# Altium PCB mainpcb.PcbDoc (part 1 of 2)
Units mm, origin at the board's own origin, x right, y up, seen from the top; angles counter-clockwise.
Board outline 161.19 x 161.19 mm, 2 copper layers (Top Layer, Bottom Layer); 134 components, 83 nets, 474 pads, 52 vias.
Unrouted connection lines stored in the file: 1.
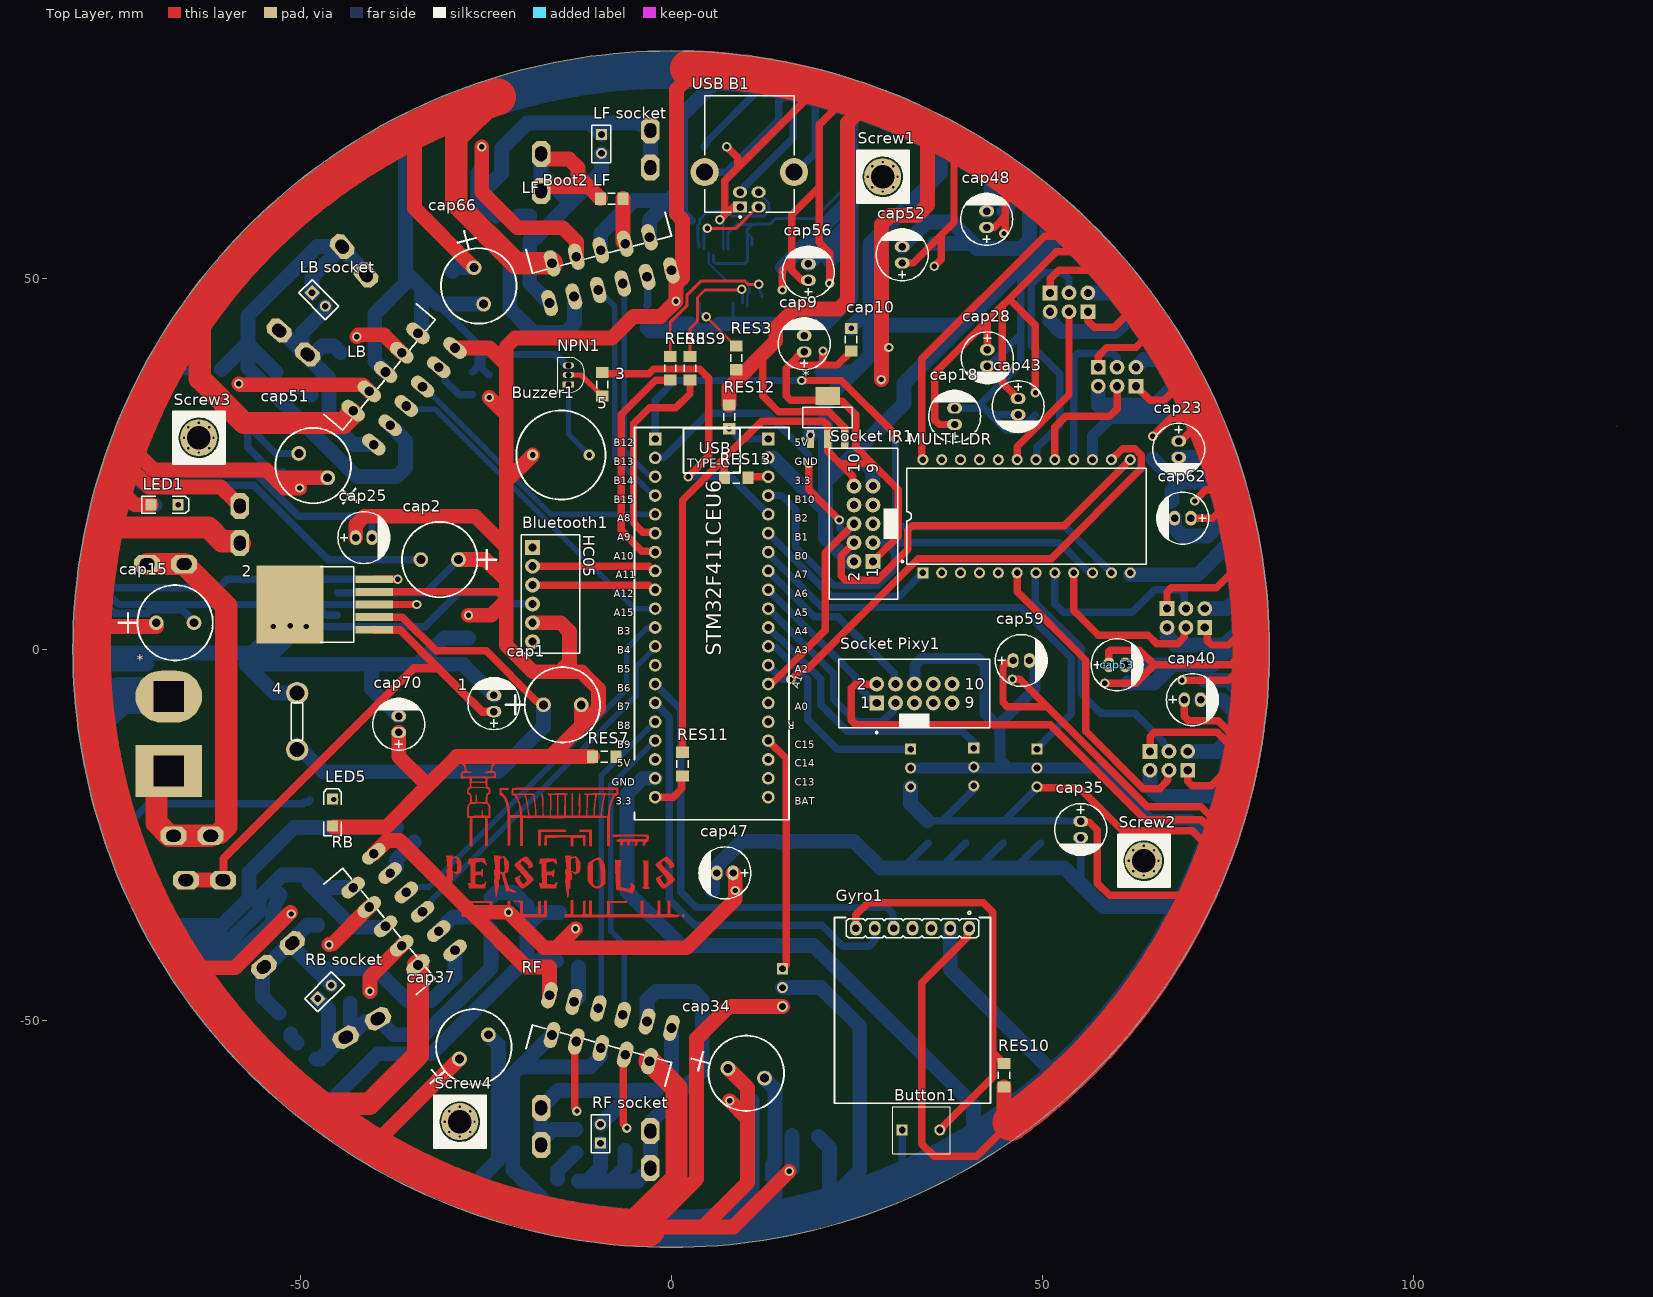
[diagram p0: Top Layer view]
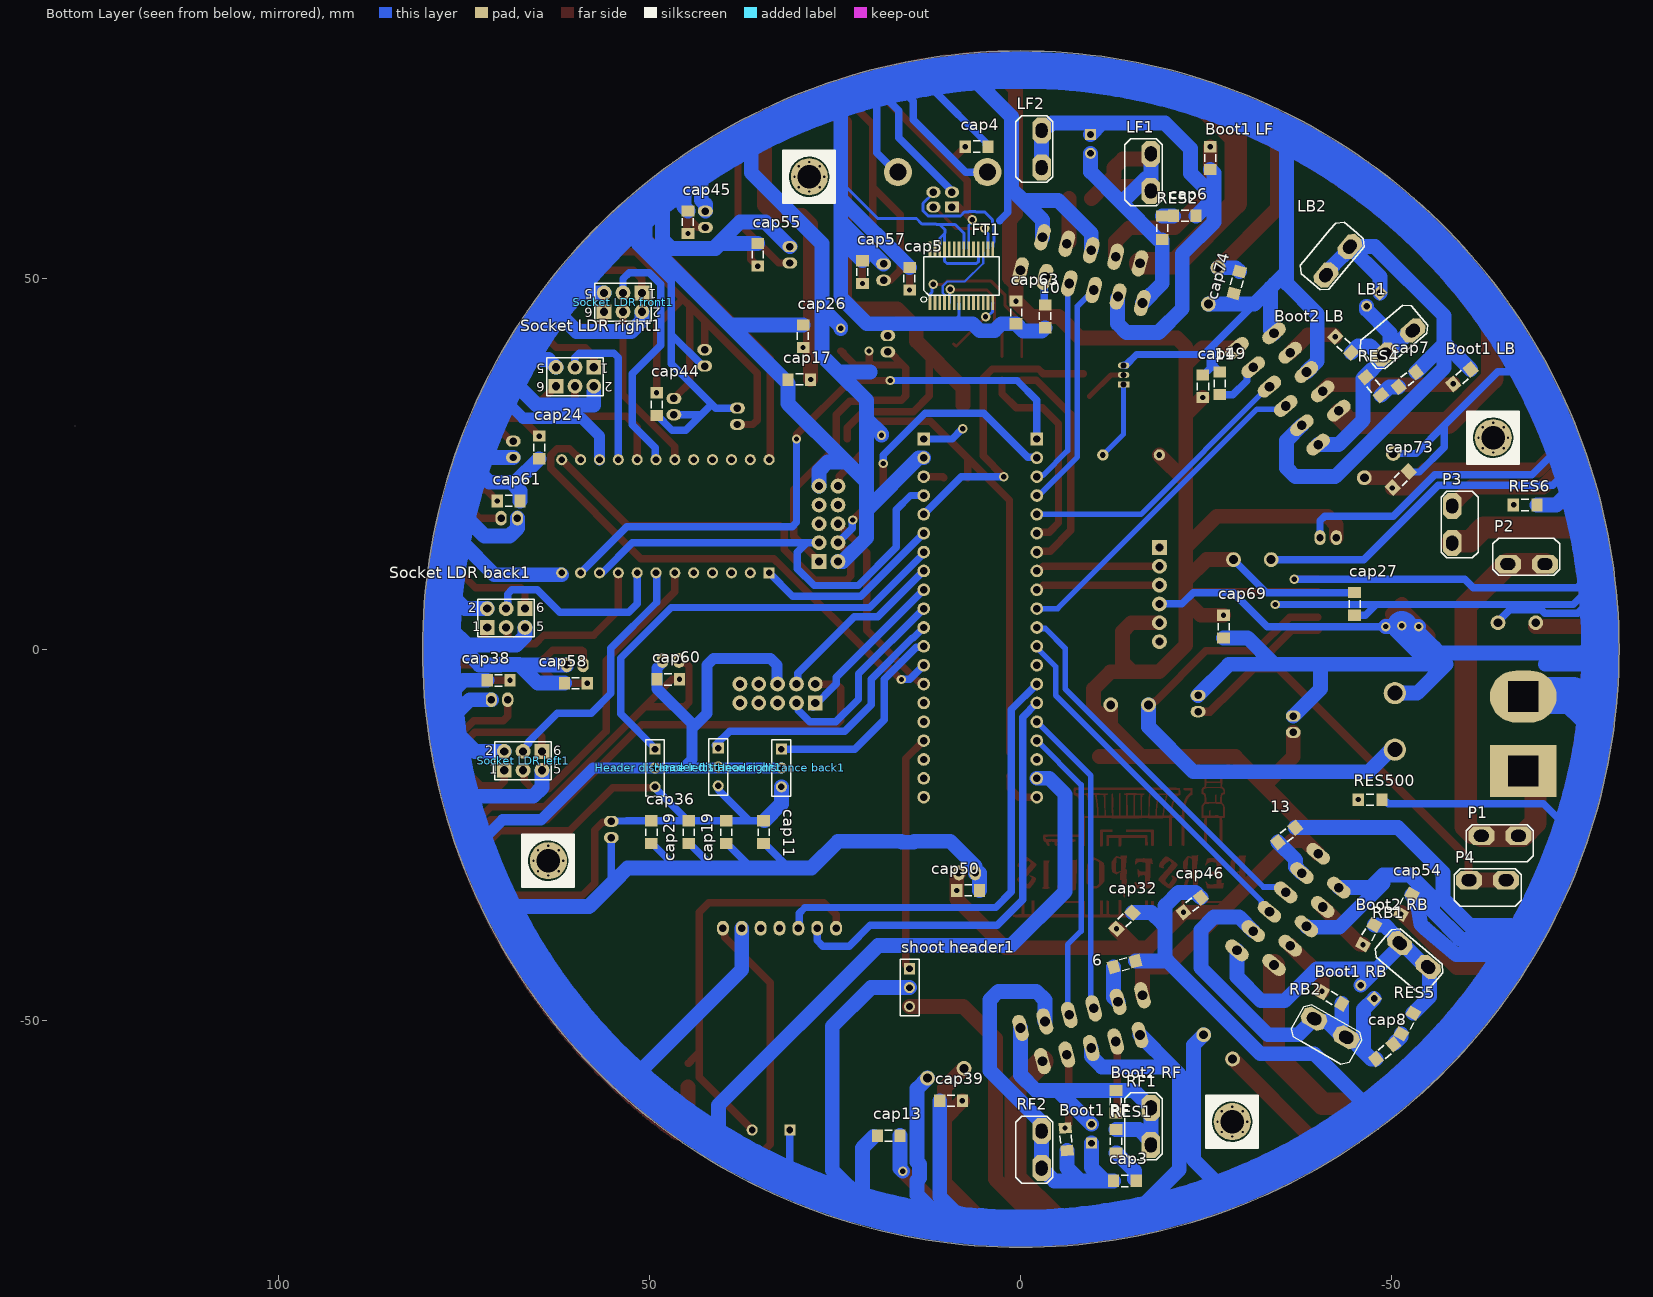
[diagram p1: Bottom Layer view, seen from below]
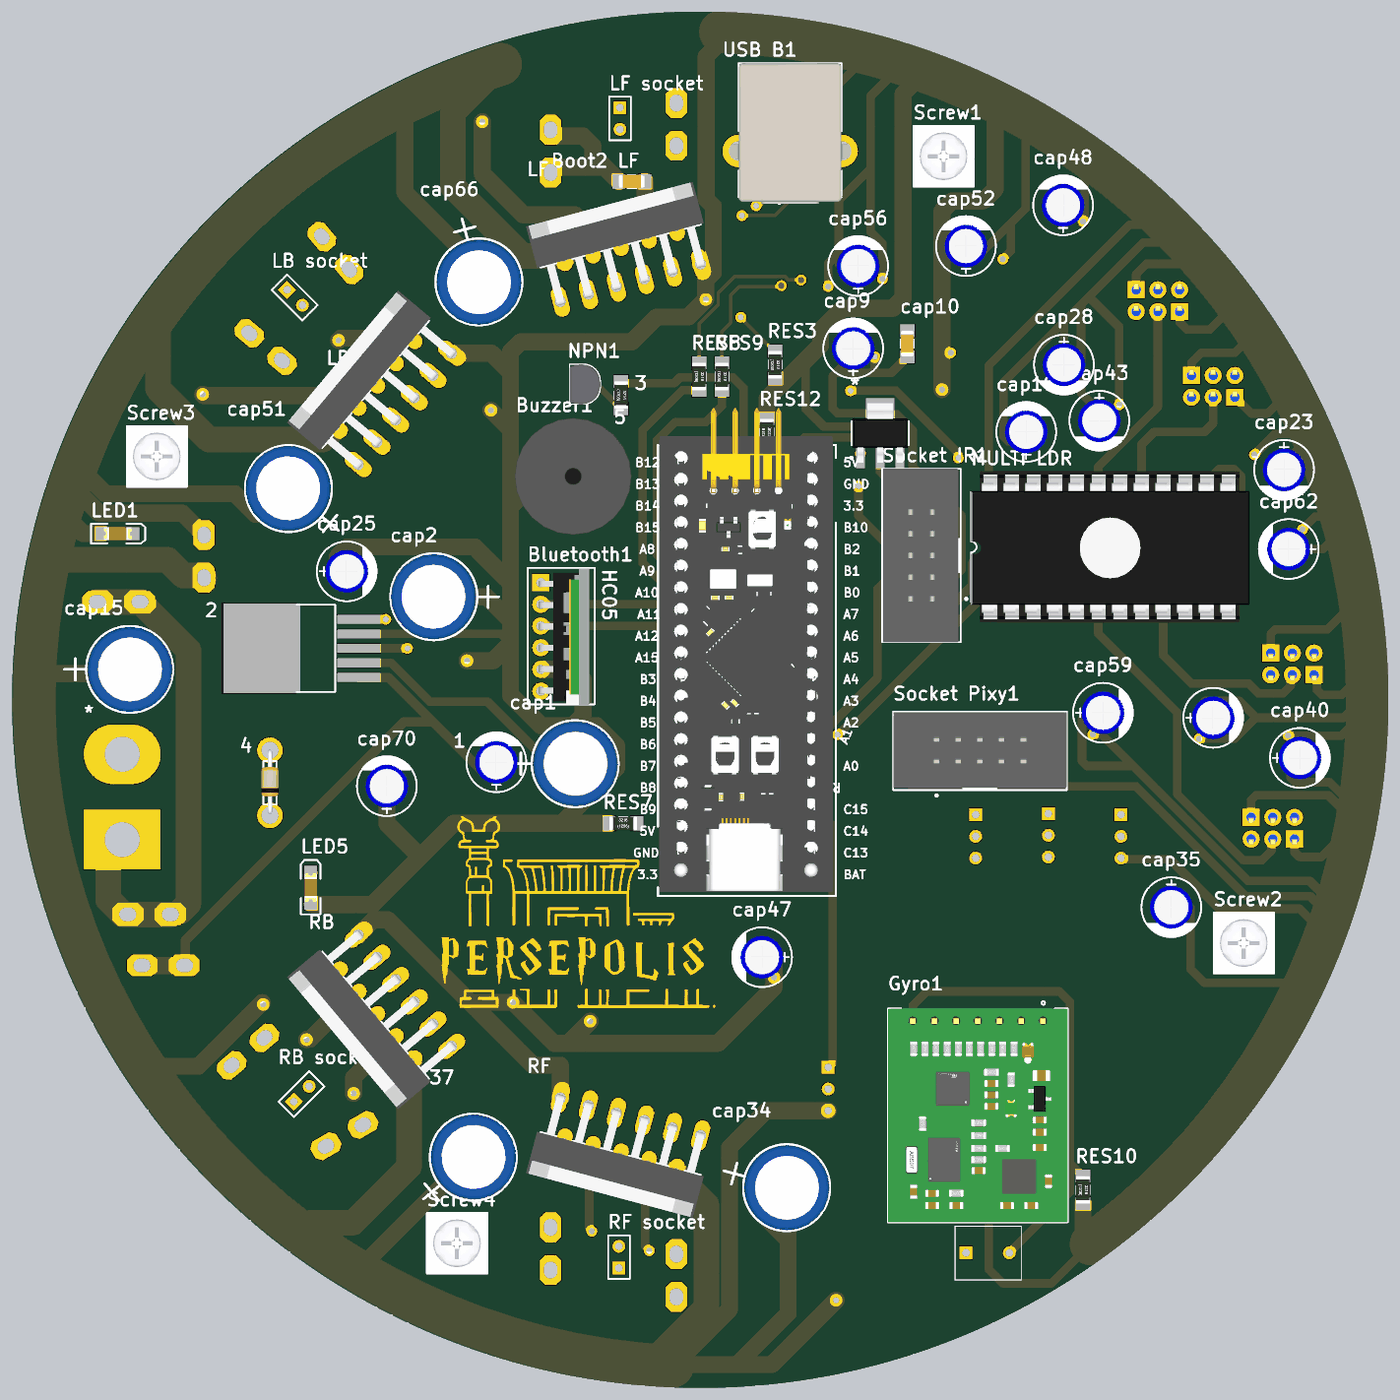
[diagram p3: 3D render of the assembled board from above, using the file's embedded part models]
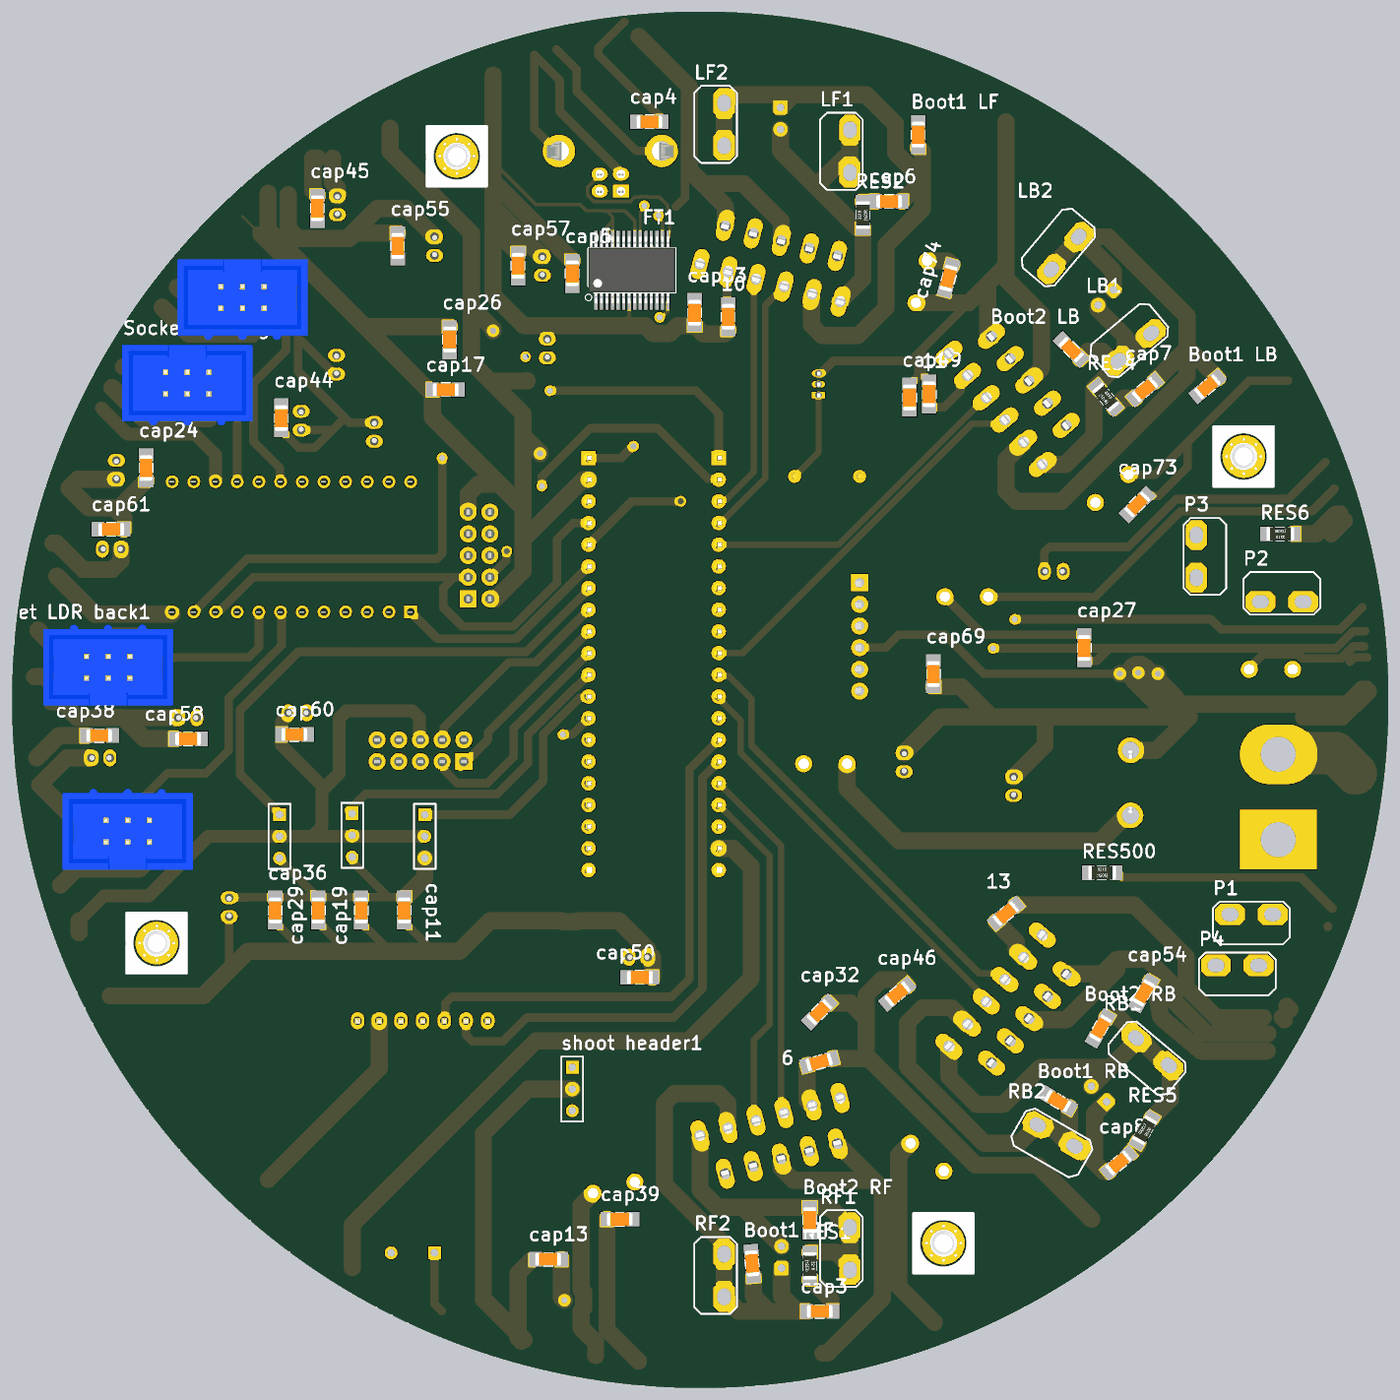
[diagram p4: 3D render of the assembled board from below, using the file's embedded part models]

## Layer stack, top to bottom
Top Solder: solder mask 0.0102, Solder Resist, Dk 3.5
Top Layer: signal copper 0.0356
Dielectric 1: dielectric 0.32, FR-4, Dk 4.8
Bottom Layer: signal copper 0.0356
Bottom Solder: solder mask 0.0102, Solder Resist, Dk 3.5

## Board outline
-80.594,0 ccw(c0,0) 0,-80.594 ccw(c0,0) 80.594,0 ccw(c0,0) 0,80.594 ccw(c0,0)

## Design rules (kind name [scope] priority, off if disabled: settings)
Clearance Driver [All vs HasFootprint('MPSO-30')] p1: gap=0.1 ignorepadtopadclearanceinfootprint=FALSE
Clearance [All] p2: gap=0.254 ignorepadtopadclearanceinfootprint=FALSE except(0: Arc-Hole Track-Hole SMDPad-Hole THPad-Hole Via-Hole Fill-Hole Poly-Hole Region-Hole Text-Hole; 0.5: Arc-Poly; 1: Track-Poly SMDPad-Poly THPad-Poly Via-Poly Fill-Poly Poly-Poly)
Height [All] p1: minheight=0 maxheight=45 prefheight=12.7
HoleSize [All] p1: absolutevalues=TRUE maxlimit=20 minlimit=0.025 maxpercent=80.000 minpercent=20.000
MinimumSolderMaskSliver [All] p1: minsoldermaskwidth=0.2
PolygonConnect [All] p1: connectstyle=Relief reliefconductorwidth=0.254 reliefentries=4 polygonreliefangle="90 Angle" airgapwidth=0.254
RoutingVias [All] p1: holewidth=0.711 width=1.27 viastyle="Through Hole" minholewidth=0.711 minwidth=1.27 maxholewidth=0.711 maxwidth=1.27
SilkToSolderMaskClearance [IsPad] p1: minsilkscreentomaskgap=0.2 clearancetoexposedcopper=TRUE
SolderMaskExpansion [All] p1: expansion=0.102 istentingtop=FALSE
SupplyNets "Schematic Supply Nets_2" [InNet('+5')] p1: voltage=0.000
SupplyNets "Schematic Supply Nets_1" [InNet('GND')] p2: voltage=0.000
SupplyNets "Schematic Supply Nets" [InNet('+12')] p3: voltage=0.000
Width Width_name [InNet('name')] p1: maxlimit=10 minlimit=0.01 preferedwidth=0.254 minimp=50.000000 maximp=50.000000 favimp=50.000000
Width Width_Power [InNetClass('POWER')] p2: maxlimit=5 minlimit=0.3 preferedwidth=2 minimp=50.000000 maximp=50.000000 favimp=50.000000
Width [All] p3: maxlimit=2 minlimit=0.3 preferedwidth=1 minimp=50.000000 maximp=50.000000 favimp=50.000000
26 further rules are at their usual default settings.

## Classes and differential pairs
net class POWER: +5 +12 GND Net*_1 "NetBoot1 RF_1" "NetBoot2 RB_2" "NetBoot2 RF_2"

## Components (designator, comment, footprint, x,y, rotation, side; value= is the part's Value field where it differs from the comment)
1 "100uf" "Cap 100uF" -23.952,-7.45 r0 top
2 "LM2576" D2PAK -47.763,5.993 r180 top
3 "" "Resistor SMD 1206" -9.271,35.687 r270 top
4 "Diode" Diode -50.419,-9.779 r90 top
5 "BlackPill" BlackPill 5.653,2.285 r0 top
6 "smd" "Cap SMD" -13.97,-42.418 r345 bottom
10 "smd" "Cap SMD" -3.276,44.831 r90 bottom
11 "smd" "Cap SMD" -26.797,35.814 r270 bottom
13 "smd" "Cap SMD" -35.814,-25.019 r320 bottom
* "Power Connector" "Power Socket" -67.691,-11.383 r90 top
* "AMS1117" SOT223 21.037,31.171 r0 top
Bluetooth1 "HC05" HC05 -3.369,8.391 r270 top
"Boot1 LB" "smd" "Cap SMD" -59.436,36.703 r320 bottom
"Boot1 LF" "smd" "Cap SMD" -25.527,66.168 r90 bottom
"Boot1 RB" "smd" "Cap SMD" -41.91,-46.99 r30 bottom
"Boot1 RF" "smd" "Cap SMD" -6.096,-66.04 r85 bottom
"Boot2 LB" "smd" "Cap SMD" -43.434,41.021 r225 bottom
"Boot2 LF" "smd" "Cap SMD" -8.001,60.706 r180 top
"Boot2 RB" "smd" "Cap SMD" -46.863,-38.481 r120 bottom
"Boot2 RF" "smd" "Cap SMD" -12.827,-60.96 r90 bottom
Button1 "Push Button" "Push Button" 33.655,-64.77 r270 top
Buzzer1 "Buzzer" Buzzer -14.884,26.162 r0 top
cap1 "1000uf" "Cap 1000uf" -14.605,-7.493 r180 top
cap2 "1000uf" "Cap 1000uf" -31.242,12.065 r0 top
cap3 "smd" "Cap SMD" -14.029,-71.628 r0 bottom
cap4 "smd" "Cap SMD" 5.969,67.691 r180 bottom
cap5 "smd" "Cap SMD" 14.986,49.911 r90 bottom
cap6 "smd" "Cap SMD" -22.098,58.369 r180 bottom
cap7 "smd" "Cap SMD" -52.07,36.322 r140 bottom
cap8 "smd" "Cap SMD" -49.022,-54.229 r320 bottom
cap9 "100uf" "Cap 100uF" 17.837,41.021 r0 top
cap10 "smd" "Cap SMD" 24.257,41.693 r90 top
cap11 "smd" "Cap SMD" 34.671,-24.638 r270 bottom
cap13 "smd" "Cap SMD" 17.781,-65.532 r0 bottom
cap15 "1000uf" "Cap 1000uf" -66.783,3.556 r180 top
cap17 "smd" "Cap SMD" 29.845,36.322 r180 bottom
cap18 "100uf" "Cap 100uF" 38.1,31.242 r0 top
cap19 "smd" "Cap SMD" 39.709,-24.638 r270 bottom
cap23 "100uf" "Cap 100uF" 68.453,27.051 r180 top
cap24 "smd" "Cap SMD" 64.897,27.178 r270 bottom
cap25 "100uf" "Cap 100uF" -41.529,15.113 r270 top
cap26 "smd" "Cap SMD" 29.337,42.165 r90 bottom
cap27 "smd" "Cap SMD" -44.958,6.097 r270 bottom
cap28 "100uf" "Cap 100uF" 42.672,39.37 r180 top
cap29 "smd" "Cap SMD" 44.746,-24.638 r270 bottom
cap32 "smd" "Cap SMD" -13.97,-36.576 r135 bottom
cap34 "1000uf" "Cap 1000uf" 10.16,-57.15 r165 top
cap35 "100uf" "Cap 100uF" 55.245,-24.166 r180 top
cap36 "smd" "Cap SMD" 49.784,-24.638 r270 bottom
cap37 "1000uf" "Cap 1000uf" -26.545,-53.543 r220 top
cap38 "smd" "Cap SMD" 70.358,-4.191 r0 bottom
cap39 "smd" "Cap SMD" 9.398,-60.833 r0 bottom
cap40 "100uf" "Cap 100uF" 70.104,-6.731 r270 top
cap43 "100uf" "Cap 100uF" 46.812,32.809 r180 top
cap44 "smd" "Cap SMD" 49.073,33.02 r270 bottom
cap45 "smd" "Cap SMD" 44.831,57.531 r90 bottom
cap46 "smd" "Cap SMD" -23.089,-34.453 r140 bottom
cap47 "100uf" "Cap 100uF" 7.366,-30.226 r90 top
cap48 "100uf" "Cap 100uF" 42.418,57.785 r0 top
cap49 "smd" "Cap SMD" -24.511,35.433 r270 bottom
cap50 "smd" "Cap SMD" 7.112,-32.512 r180 bottom
cap51 "1000uf" "Cap 1000uf" -48.26,24.765 r320 top
cap52 "100uf" "Cap 100uF" 31.039,53.002 r0 top
cap53 "100uf" "Cap 100uF" 59.944,-2.032 r270 top
cap54 "smd" "Cap SMD" -51.943,-34.358 r120 bottom
cap55 "smd" "Cap SMD" 35.433,53.129 r90 bottom
cap56 "100uf" "Cap 100uF" 18.415,50.673 r0 top
cap57 "smd" "Cap SMD" 21.336,50.799 r90 bottom
cap58 "smd" "Cap SMD" 59.944,-4.572 r0 bottom
cap59 "100uf" "Cap 100uF" 47.033,-1.448 r270 top
cap60 "smd" "Cap SMD" 47.499,-4.064 r0 bottom
cap61 "smd" "Cap SMD" 69.012,19.963 r180 bottom
cap62 "100uf" "Cap 100uF" 69.045,17.577 r90 top
cap63 "smd" "Cap SMD" 0.651,45.359 r270 bottom
cap66 "1000uf" "Cap 1000uf" -25.908,48.895 r105 top
cap69 "smd" "Cap SMD" -27.305,3.048 r270 bottom
cap70 "100uf" "Cap 100uF" -36.779,-10.244 r0 top
cap73 "smd" "Cap SMD" -51.181,22.86 r135 bottom
cap74 "smd" "Cap SMD" -29.083,49.403 r285 bottom
FT1 "" SSOP28-0.65-10.2X5.2MM 8.001,50.292 r180 bottom
Gyro1 "TDAxis12" TDAxis12 32.512,-37.667 r180 top
"Header distance back1" "Header 3" HDR1X3 32.258,-13.462 r270 bottom
"Header distance left1" "Header 3" HDR1X3 49.276,-13.462 r270 bottom
"Header distance right1" "Header 3" HDR1X3 40.767,-13.335 r270 bottom
LB "Driver" MultiWatt11 -36.827,35.95 r50 top
LB1 "P SK" "P SK" -50.419,41.91 r140 bottom
LB2 "P SK" "P SK" -42.145,52.823 r130 bottom
"LB socket" "" HDR1X2 -48.387,48.006 r315 top
LED1 "SMD" "LED SMD" -67.945,19.431 r0 top
LED5 "SMD" "LED SMD" -45.593,-21.717 r90 top
LF "Driver" MultiWatt11 -8.931,51.654 r15 top
LF1 "P SK" "P SK" -16.764,64.262 r90 bottom
LF2 "P SK" "P SK" -2.032,67.401 r90 bottom
"LF socket" "" HDR1X2 -9.398,69.342 r270 top
"MULTI LDR" "4067 DIP" "4067 DIP" 47.685,18.161 r90 top
NPN1 "N2222A" TO18 -13.843,36.957 r270 top
P1 "P SK" "P SK" -64.516,-25.908 r0 bottom
P2 "P SK" "P SK" -68.132,12.236 r180 bottom
P3 "P SK" "P SK" -58.874,16.764 r270 bottom
P4 "P SK" "P SK" -62.865,-31.877 r0 bottom
RB "Driver" MultiWatt11 -36.827,-35.95 r130 top
RB1 "P SK" "P SK" -52.451,-41.783 r40 bottom
RB2 "P SK" "P SK" -41.275,-51.689 r30 bottom
"RB socket" "" HDR1X2 -47.597,-47.071 r45 top
RES1 "SMD" "Resistor SMD 1206" -12.827,-66.294 r270 bottom
RES2 "SMD" "Resistor SMD 1206" -19.05,56.769 r90 bottom
RES3 "SMD" "Resistor SMD 1206" 8.761,39.243 r270 top
RES4 "SMD" "Resistor SMD 1206" -47.498,35.433 r230 bottom
RES5 "SMD" "Resistor SMD 1206" -52.059,-50.419 r300 bottom
RES6 "SMD" "Resistor SMD 1206" -67.945,19.431 r0 bottom
RES7 "SMD" "Resistor SMD 1206" -9.017,-14.478 r0 top
RES8 "SMD" "Resistor SMD 1206" -0.127,37.846 r270 top
RES9 "SMD" "Resistor SMD 1206" 2.54,37.846 r270 top
RES10 "SMD" "Resistor SMD 1206" 44.831,-57.404 r270 top
RES11 "SMD" "Resistor SMD 1206" 1.524,-15.494 r270 top
RES12 "SMD" "Resistor SMD 1206" 7.811,31.293 r90 top
RES13 "SMD" "Resistor SMD 1206" 8.763,23.114 r180 top
RES500 "SMD" "Resistor SMD 1206" -47.064,-20.261 r180 bottom
RF "Driver" MultiWatt11 -8.931,-51.654 r165 top
RF1 "P SK" "P SK" -16.764,-64.262 r90 bottom
RF2 "P SK" "P SK" -2.032,-67.401 r90 bottom
"RF socket" "Header 2" HDR1X2 -9.525,-66.548 r90 top
Screw1 "Screw" Screw 28.492,63.651 r0 top locked
Screw2 "Screw" Screw 63.651,-28.492 r0 top locked
Screw3 "Screw" Screw -63.651,28.492 r0 top locked
Screw4 "Screw" Screw -28.492,-63.651 r0 top locked
"shoot header1" "Header 3" HDR1X3 14.986,-43.053 r270 bottom
"Socket IR1" "IDC2x5" "IDC 2x5" 25.781,16.942 r180 top
"Socket LDR back1" "IDC 2X3" "IDC 2X3" 69.342,4.191 r180 bottom
"Socket LDR front1" "IDC 2X3" "IDC 2X3" 53.594,46.736 r0 bottom
"Socket LDR left1" "IDC 2X3" "IDC 2X3" 67.056,-15.035 r180 bottom
"Socket LDR right1" "IDC 2X3" "IDC 2X3" 60.071,36.703 r0 bottom
"Socket Pixy1" "IDC2x5" "IDC 2x5" 32.817,-5.842 r90 top
"USB B1" "USB_B" USB_B.1 10.529,61.918 r90 top

## Footprints (in the part's own frame and the unit in brackets; to place one, negate y for a bottom-side part, rotate by r counter-clockwise, add the part's x,y. Pads: shape width x height; smd on the part's side, far side on the other; paste and mask are expansions set on the pad)
"4067 DIP" [mm]
  rect 1.5x1.5 hole 0.9: 1(-7.874,13.776)
  round 1.5 hole 0.9: 2(-7.874,11.236) 3(-7.874,8.696) 4(-7.874,6.156) 5(-7.874,3.616) 6(-7.874,1.076) 7(-7.874,-1.464) 8(-7.874,-4.004) 9(-7.874,-6.544) 10(-7.874,-9.084) 11(-7.874,-11.624) 12(-7.874,-14.164) 13(7.366,-14.164) 14(7.366,-11.624) 15(7.366,-9.084) 16(7.366,-6.544) 17(7.366,-4.004) 18(7.366,-1.464) 19(7.366,1.076) 20(7.366,3.616) 21(7.366,6.156) 22(7.366,8.696) 23(7.366,11.236) 24(7.366,13.776)
  silkscreen extent -6.7,-16.34 6.2,15.96, body extent -9.14,-16.64 8.64,16, height 9.79
BlackPill [mm]
  rect 1.7x1.7 hole 1 paste-2539.97 mask+0.102: 1(-7.812,26.036) 40(7.428,26.036)
  round 1.7 hole 1 paste-2539.97 mask+0.102: 2(-7.812,23.496) 3(-7.812,20.956) 4(-7.812,18.416) 5(-7.812,15.876) 6(-7.812,13.336) 7(-7.812,10.796) 8(-7.812,8.256) 9(-7.812,5.716) 10(-7.812,3.176) 11(-7.812,0.636) 12(-7.812,-1.904) 13(-7.812,-4.444) 14(-7.812,-6.984) 15(-7.812,-9.524) 16(-7.812,-12.064) 17(-7.812,-14.604) 18(-7.812,-17.144) 19(-7.812,-19.684) 20(-7.812,-22.224) 21(7.428,-22.224) 22(7.428,-19.684) 23(7.428,-17.144) 24(7.428,-14.604) 25(7.428,-12.064) 26(7.428,-9.524) 27(7.428,-6.984) 28(7.428,-4.444) 29(7.428,-1.904) 30(7.428,0.636) 31(7.428,3.176) 32(7.428,5.716) 33(7.428,8.256) 34(7.428,10.796) 35(7.428,13.336) 36(7.428,15.876) 37(7.428,18.416) 38(7.428,20.956) 39(7.428,23.496)
  silkscreen extent -10.61,-25.27 10.22,27.56, body extent -10.46,-24.77 9.86,31.87, height 13.16
Buzzer [mil]
  round 60 hole 30: 1(-149,0) 2(151,0)
  silkscreen extent -235,-236 237,236, body extent -269,-269 270,270, height 299
"Cap 100uF" [mm]
  oval 2x1.5 hole 1: 1(0.076,-0.973) 2(0.076,1.227)
  silkscreen extent -3.42,-3.37 3.58,3.63, body extent -2.45,-2.4 2.6,2.65, height 11.53
"Cap 1000uf" [mm]
  round 2 hole 1.2: 1(2.591,0) 2(-2.489,0)
  silkscreen extent -5.03,-5.08 7.67,5.08, body extent -5,-5 5,5, height 13.5
"Cap SMD" [mm]
  rect 1.5x1.7 smd: 1(-1.525,0) 2(1.525,0)
  silkscreen extent -0.47,-0.72 0.53,0.78, body extent -1.49,-0.76 1.55,0.76, height 0.75
D2PAK [mm] "LM2576"
  rect 5x1.05 smd paste-25.4 mask-25.4: 1(-7.758,3.375) 2(-7.758,1.675) 3(-7.758,-0.025) 4(-7.758,-1.725) 5(-7.758,-3.425)
  rect 9x10.5 smd mask-25.4: 6(3.592,-0.025)
  silkscreen extent -5.01,-5.13 -0.51,5.07, body extent -7.37,-5.08 6.86,5.08, height 4.87
Diode [mm]
  round 3 hole 2: 1(3.861,-0.025) 2(-3.759,-0.025)
  silkscreen extent -2.72,-0.79 2.82,0.74, body extent -3.57,-1.03 3.93,0.97, height 2
HC05 [mm]
  rect 2x2 hole 1.1: 1(-5.325,-15.3)
  round 2 hole 1.1: 2(-2.785,-15.3) 3(-0.245,-15.3) 4(2.295,-15.3) 5(4.835,-15.3) 6(7.375,-15.3)
  silkscreen extent -7.05,-16.85 8.93,-8.98, body extent -7,-15.55 9.1,-9.65, height 40
HDR1X2 [mm] "Connector; Header; 2 Position"
  rect 1.5x1.5 hole 0.9: 1(0,0)
  round 1.5 hole 0.9: 2(2.54,0)
  silkscreen extent -1.27,-1.27 3.81,1.27
HDR1X3 [mm] "Connector; Header; 3 Position"
  rect 1.5x1.5 hole 0.9: 1(0,0)
  round 1.5 hole 0.9: 2(2.54,0) 3(5.08,0)
  silkscreen extent -1.27,-1.27 6.35,1.27
"IDC 2X3" [mm] "DS1013-6"
  rect 2x2 hole 1.1: 1(-2.54,-1.27) 6(2.54,1.27)
  round 2 hole 1.1: 2(-2.54,1.27) 3(0,-1.27) 4(0,1.27) 5(2.54,-1.27)
  silkscreen extent -3.81,-2.54 3.81,2.54, body extent -7.62,-4.86 7.62,4.59, height 9.1
"IDC 2x5" [mm] "DS1013-10"
  rect 2x2 hole 1.1: 1(-1.397,5.131)
  round 2 hole 1.1: 2(1.143,5.131) 3(-1.397,2.591) 4(1.143,2.591) 5(-1.397,0.051) 6(1.143,0.051) 7(-1.397,-2.489) 8(1.143,-2.489) 9(-1.397,-5.029) 10(1.143,-5.029)
  silkscreen extent -5.5,-10.11 4.47,10.21, body extent -4.45,-10.11 4.36,10.21, height 9
"LED SMD" [mm]
  rect 1.5x1.5 smd: 1(-2.125,0.025) 2(1.525,0.025)
  silkscreen extent -3.4,-1.12 2.95,1.18, body extent -1.92,-0.7 1.38,0.75, height 1.36
MultiWatt11 [mm] "L6203"
  oval 1.8x3.6 hole 1.3 mask-25.4: 1(-8.5,-2.921) 2(-6.8,2.159) 3(-5.1,-2.921) 4(-3.4,2.159) 5(-1.7,-2.921) 6(0,2.159) 7(1.7,-2.921) 8(3.4,2.159) 9(5.1,-2.921) 10(6.8,2.159) 11(8.5,-2.921)
  silkscreen extent -9.7,1.56 9.7,4.86, body extent -10.1,-3.28 10.1,6.61, height 22.8
"P SK" [mm]
  oct 3.5x2.5 hole 1.6 slot 2 at 0 deg: 1(-2.523,-0.765) 1(2.477,-0.765)
  silkscreen extent -4.52,-2.27 4.48,2.73
"Power Socket" [mm]
  rect 7x9 hole 4.1 square: 1(-5,0)
  oval 7x9 hole 4.1 square: 2(5,0)
"Push Button" [mm]
  rect 1.5x1.5 hole 0.9: 1(0,-2.54)
  round 1.5 hole 0.9: 2(0,2.54)
  silkscreen extent -3.13,-3.81 3.19,3.94
"Resistor SMD 1206" [mm]
  rect 1.5x1.7 smd: 1(-1.6,0) 2(1.6,0)
  silkscreen extent -0.5,-0.75 0.5,0.75, body extent -1.6,-0.8 1.6,0.8, height 0.55
Screw [mm]
  round 0.6 hole 0.3: S(-2,0) S(-1.414,-1.414) S(-1.414,1.414) S(0,-2) S(0,2) S(1.414,-1.414) S(1.414,1.414) S(2,0)
  round 5 hole 3.15 mask+0.1: S(0,0)
  silkscreen extent -3.49,-3.53 3.56,3.52, body extent -2.8,-2.8 2.8,2.8, height 3.88
SOT223 [mm]
  rect 1x2.4 smd: 1(-2.269,-2.85) 2(0.031,-2.85) 3(2.331,-2.85)
  rect 3.3x2.4 smd: 2(0.031,2.95)
  silkscreen extent -3.44,-2.97 3.38,1.45, body extent -3.21,-3.44 3.27,3.54, height 1.64
SSOP28-0.65-10.2X5.2MM [mm]
  rect 0.365x2 smd mask+0.102: 1(-4.225,-3.625) 2(-3.575,-3.625) 3(-2.925,-3.625) 4(-2.275,-3.625) 5(-1.625,-3.625) 6(-0.975,-3.625) 7(-0.325,-3.625) 8(0.325,-3.625) 9(0.975,-3.625) 10(1.625,-3.625) 11(2.275,-3.625) 12(2.925,-3.625) 13(3.575,-3.625) 14(4.225,-3.625) 15(4.225,3.625) 16(3.575,3.625) 17(2.925,3.625) 18(2.275,3.625) 19(1.625,3.625) 20(0.975,3.625) 21(0.325,3.625) 22(-0.325,3.625) 23(-0.975,3.625) 24(-1.625,3.625) 25(-2.275,3.625) 26(-2.925,3.625) 27(-3.575,3.625) 28(-4.225,3.625)
  silkscreen extent -5.46,-3.56 5.1,2.6, body extent -5.1,-3.86 5.1,3.94, height 2
TDAxis12 [mm] "Connector; Header; 7 Position"
  oval 1.6x2 hole 1 mask+0.1: 1(-7.62,-0.075) 2(-5.08,-0.075) 3(-2.54,-0.075) 4(0,-0.075) 5(2.54,-0.075) 6(5.08,-0.075) 7(7.62,-0.075)
  silkscreen extent -10.5,-2.35 10.5,23.5, body extent -10.5,-1.5 10.5,23.5, height 5.34
TO18 [mm]
  rect 0.8x1.55 hole 0.8: 1(1.27,0)
  oval 0.8x1.55 hole 0.8: 2(0,0) 3(-1.27,0)
  silkscreen extent -2.35,-1.47 2.35,2.15, body extent -2.35,-1.47 2.41,2.16, height 6.83
USB_B.1 [mm]
  rect 1.5x1.9 hole 1: 1(-2.355,1.25)
  oval 1.5x1.9 hole 1: 2(-2.355,-1.25) 3(-0.355,-1.25) 4(-0.355,1.25)
  round 3.8 hole 2.3: 5(2.355,6.02) 6(2.355,-6.02)
  silkscreen extent -3.83,-6.02 12.64,6.02, body extent -3.86,-7.45 12.64,7.45, height 10.95

## Part data
1 cap10 cap18 cap23 cap25 cap28 cap35 cap40 cap43 cap47 cap48 cap52 cap53 cap56 cap59 cap62 cap70: library part "Cap 100uF"
3 RES1 RES2 RES3 RES4 RES5 RES6 RES7 RES8 RES9 RES10 RES11 RES12 RES13 RES500: library part "Res SMD"
6 10 11 13 "Boot1 LB" "Boot1 LF" "Boot1 RB" "Boot1 RF" "Boot2 LB" "Boot2 LF" "Boot2 RB" "Boot2 RF" cap3 cap4 cap5 cap6 cap7 cap8 cap9 cap11 cap13 cap17 cap19 cap24 cap26 cap27 cap29 cap32 cap36 cap38 cap39 cap44 cap45 cap46 cap49 cap50 cap54 cap55 cap57 cap58 cap60 cap61 cap63 cap69 cap73 cap74: library part "Cap SMD"
cap1 cap2 cap15 cap34 cap37 cap51 cap66: library part "Cap 1000uF"
FT1: library part INTERFACE-FT232RL(SSOP28), "USB-Ð¼Ð¾ÑÑ‚, Ð¸Ð½Ñ‚ÐµÑ€Ñ„ÐµÐ¹Ñ USB Ðº UART USB 2.0 UART 28-SSOP", Package="SSOP-28 FTDI", Availability="Not in stock", Check_prices=https://www.snapeda.com/parts/FT232RL/FTDI%252C+Future+Technology+Devices+International+Ltd/view-part/?ref=eda, MF="FTDI, Future", MP=FT232RL, Price=None, SnapEDA_Link=https://www.snapeda.com/parts/FT232RL/FTDI%252C+Future+Technology+Devices+International+Ltd/view-part/?ref=snap
Gyro1: "Module, 12 Axis IMU, I2C UART Output"
"Header distance back1" "Header distance left1" "Header distance right1" "shoot header1": "Header, 3-Pin", LatestRevisionDate=17-Jul-2002, LatestRevisionNote="Re-released for DXP Platform.", Publisher="Altium Limited"
LB LF RB RF: library part L6203
"LB socket" "LF socket" "RB socket": library part "Header 2", "Header, 2-Pin", LatestRevisionDate=17-Jul-2002, LatestRevisionNote="Re-released for DXP Platform.", Publisher="Altium Limited"
LED1 LED5: library part "LED SMD"
NPN1: library part NPN
"RF socket": "Header, 2-Pin", LatestRevisionDate=17-Jul-2002, LatestRevisionNote="Re-released for DXP Platform.", Publisher="Altium Limited"
"Socket IR1" "Socket Pixy1": library part "IDC 2x5"
"USB B1": "USB B", LatestRevisionDate=17-Jul-2002, LatestRevisionNote="Re-released for DXP Platform.", Publisher="Altium Limited"
Screw1 Screw2 Screw3 Screw4: LatestRevisionDate=17-Jul-2002, LatestRevisionNote="Re-released for DXP Platform.", Publisher="Altium Limited"

## Via types
v1: diameter 1.27, hole 0.711, Top Layer to Bottom Layer, 52 vias

## Nets (pads, with @x,y where several pads share a name; then routed paths per layer and width w, separated by ;. In a path a pad name is that pad's centre, name@x,y a point inside that pad or via, vN(x,y) a via of type N, cw(c..) or ccw(c..) an arc to the next point about the centre after c; other vN are vias at no path point)
3.3V: "Socket IR1.1" "Socket IR1.10" *.2@21.068,28.321 *.2@21.068,34.121 cap9.1 cap10.1 RES11.1 RES13.2 | length 127.4
  Top Layer w1: RES11.1@1.524,-13.894 1.524,20.066 7.163,25.705 ; RES13.2@7.163,23.114 7.163,25.705 ; cap9.1@17.913,40.048 17.663,40.048 15.903,38.288 ; 19.76,38.288 15.903,38.288 ; 19.86,38.288 22.377,38.288 23.907,39.818 23.907,39.918 24.157,40.168 cap10.1@24.257,40.168 ; 20.06,38.388 20.401,38.559 20.401,40.116 v1(20.453,40.168) ; 24.638,21.971 24.447,22.162 24.447,23.305 22.733,25.019 ; 27.178,11.811 30.607,15.24 30.607,21.517 27.105,25.019 ; 7.163,25.705 12.192,30.734 20.482,30.734 21.068,30.148 21.068,26.684 22.733,25.019 ; 15.903,38.288 15.494,37.879 15.494,34.121 16.08,33.535 20.482,33.535 *.2@21.068,34.121 21.768,33.421 23.028,33.421 24.87,31.579 24.87,27.254 27.105,25.019 ; 22.733,25.019 27.105,25.019
+5: 2.4 "Header distance back1.3" "Header distance left1.3" "Header distance right1.3" "MULTI LDR.24" "Socket LDR back1.1" "Socket LDR back1.6" "Socket LDR front1.1" "Socket LDR front1.6" "Socket LDR left1.1" "Socket LDR left1.6" "Socket LDR right1.1" "Socket LDR right1.6" "Socket Pixy1.2" "USB B1.1" *.3 Bluetooth1.5 Buzzer1.1 cap1.2 cap2.1 cap4.1 cap5.1 cap11.1 cap17.2 cap18.1 cap19.1 cap23.1 cap24.1 cap25.1 cap26.1 cap27.1 cap28.1 cap29.1 cap32.1 cap35.1 cap36.1 cap38.1 cap40.1 cap43.1 cap44.1 cap45.1 cap46.1 cap47.1 cap48.1 cap49.2 cap50.1 cap52.1 cap53.1 cap55.1 cap56.1 cap57.1 cap58.1 cap59.1 cap60.1 cap61.1 cap62.1 cap63.1 cap69.1 cap70.1 FT1.20 Gyro1.1 LB.11 LED5.1 LF.11 RB.11 RES3.2 RES7.1 RES10.2 RES12.2 RF.11 | length 1302.9
  Top Layer w1: 2.4@-40.005,7.718 -23.339,7.718 -22.225,6.604 ; v1(6.554,57.849) 7.239,58.534 7.239,63.119 8.971,64.851 ; v1(7.494,67.691) 8.971,66.214 8.971,64.851 ; 7.657,58.843 8.677,59.863 8.979,59.863 9.279,59.563 ; 12.319,39.377 12.319,34.145 14.46,32.004 21.209,32.004 23.368,29.845 *.3@23.368,28.321 ; v1(14.986,48.386) 14.986,51.073 16.237,52.324 ; cap56.1@18.491,49.7 17.607,49.7 16.237,51.07 16.237,52.324 ; 19.772,75.652 8.971,64.851 ; v1(21.336,49.274) 21.336,53.429 19.939,54.826 19.939,62.23 ; 23.753,74.482 19.939,70.669 19.939,62.23 ; 27.686,-4.699 24.858,-4.699 24.272,-5.285 24.272,-9.574 24.858,-10.16 51.054,-10.16 63.881,-22.987 71.427,-22.987 73.949,-25.509 ; cap52.1@31.115,52.029 32.598,52.029 36.367,55.798 ; 33.782,25.527 33.782,39.116 50.292,55.626 57.041,55.626 ; v1(35.433,51.604) 36.367,52.538 36.367,55.798 ; 38.1,66.294 38.1,57.531 36.367,55.798 ; cap18.1@38.176,30.269 36.092,30.269 35.506,30.855 35.506,37.157 42.596,44.247 ; Gyro1.1@40.132,-37.592 40.017,-37.707 40.017,-38.331 39.914,-38.435 39.914,-38.826 33.782,-44.958 33.782,-66.675 35.445,-68.338 41.169,-68.338 45.772,-63.735 ; cap48.1@42.494,56.812 43.525,56.812 45.024,58.312 ; cap28.1@42.596,40.343 42.596,44.247 ; v1(44.831,56.006) 44.831,56.079 45.024,56.272 45.024,58.312 ; 45.024,62.555 45.024,58.312 ; v1(45.974,-4.064) 45.976,-4.066 46.992,-4.066 50.673,-7.747 ; cap59.1@46.06,-1.524 46.06,-1.639 45.829,-1.87 45.149,-1.87 44.704,-2.315 44.704,-7.161 45.29,-7.747 50.673,-7.747 ; cap43.1@46.736,33.782 46.621,33.782 46.39,34.013 46.39,34.128 44.601,35.917 44.601,46.252 ; v1(49.073,34.545) 49.073,43.637 45.529,47.18 ; 49.276,-18.542 49.372,-18.638 49.725,-18.638 49.765,-18.677 54.999,-18.677 60.797,-24.475 70.195,-24.475 72.354,-26.634 ; 51.054,48.006 51.054,49.882 52.226,51.054 57.662,51.054 ; cap35.1@55.169,-23.193 55.264,-23.289 56.347,-23.289 57.423,-24.365 57.423,-31.515 59.055,-33.147 69.215,-33.147 ; 56.134,45.466 56.134,44.225 57.012,43.347 59.682,43.347 62.766,46.431 ; 56.818,53.557 51.906,53.557 45.529,47.18 ; 57.531,37.973 57.531,39.468 58.703,40.64 62.589,40.64 65.078,43.128 ; v1(58.419,-4.572) 62.615,-4.572 65.079,-2.108 ; cap53.1@58.971,-2.108 58.971,-0.303 59.147,-0.127 63.097,-0.127 65.079,-2.108 ; 62.611,35.433 64.516,33.528 66.421,33.528 69.036,36.143 ; 64.516,-13.765 64.516,-11.762 65.102,-11.176 73.562,-11.176 76.834,-14.448 ; v1(64.897,28.703) 67.309,31.115 70.35,31.115 ; 66.802,5.461 66.802,7.669 67.388,8.255 73.466,8.255 77.18,11.97 ; cap23.1@68.377,28.024 68.627,28.024 71.304,30.702 ; v1(68.833,-4.191) 75.092,-4.191 78.132,-1.15 ; cap40.1@69.131,-6.807 69.131,-9.061 69.717,-9.647 73.713,-9.647 76.193,-12.127 ; 69.596,-16.305 69.596,-17.829 70.182,-18.415 72.771,-18.415 75.81,-15.376 ; cap62.1@70.018,17.653 72.929,17.653 75.44,20.164 ; v1(70.537,19.963) 72.037,21.463 73.787,21.463 ; 71.882,2.921 72.23,2.573 72.23,1.148 72.816,0.562 75.089,0.562 78.044,3.517 ; 74.23,-24.065 71.374,-21.209 64.135,-21.209 50.673,-7.747 ; 78.128,0.655 75.365,-2.108 65.079,-2.108 ; 16.237,52.324 16.237,58.528 19.939,62.23 ; 42.596,44.247 44.601,46.252 ; 44.601,46.252 45.529,47.18
  Top Layer w2: LED5.1@-45.425,-23.969 -38.399,-23.969 -32.829,-18.4 ; cap25.1@-42.502,15.037 -42.502,16.735 -41.33,17.907 -26.416,17.907 -22.225,13.716 ; RB.11@-40.053,-27.561 -38.258,-25.766 -36.601,-25.766 -26.935,-35.433 ; cap70.1@-36.703,-11.217 -36.703,-14.478 -32.829,-18.351 -32.829,-18.4 ; LB.11@-29.126,40.584 -24.455,40.584 -22.225,38.354 ; cap2.1@-28.651,12.065 -25.019,12.065 -22.225,9.271 ; v1(-27.305,4.573) -24.256,4.573 -22.225,6.604 ; v1(-24.511,33.908) -22.225,31.622 ; Bluetooth1.5@-18.669,3.556 -14.888,3.556 -13.716,2.384 -13.716,-1.778 -14.986,-3.048 ; Buzzer1.1@-18.669,26.162 -22.225,22.606 ; RF.11@-16.385,-46.633 -16.385,-42.813 -19.555,-42.813 -26.935,-35.433 ; v1(-12.892,-37.654) -15.467,-40.23 ; cap1.2@-12.116,-7.493 -12.116,-10.308 ; RES7.1@-10.617,-14.478 -16.286,-14.478 ; LF.11@0.036,51.032 1.288,49.78 ; 2.369,78.233 2.369,77.045 0.703,75.379 0.703,58.64 1.524,57.819 1.524,50.016 1.288,49.78 ; RES12.2@7.811,32.893 7.811,35.243 14.097,41.529 14.097,43.294 16.65,45.847 22.577,45.847 23.749,47.019 23.749,70.944 26.386,73.58 ; cap47.1@8.339,-30.15 8.637,-30.448 v1(8.637,-32.512) 8.637,-33.679 2.086,-40.23 -15.467,-40.23 ; v1(28.32,36.322) 28.32,57.248 29.492,58.42 33.147,58.42 34.536,59.809 34.536,70.093 ; RES10.2@44.831,-59.004 44.831,-62.793 45.772,-63.735 ; -32.829,-18.4 -28.908,-14.478 -16.286,-14.478 ; -26.935,-35.433 v1(-21.921,-35.433) -17.124,-40.23 -15.467,-40.23 ; -22.225,6.604 -22.225,9.271 ; -22.225,6.604 -22.225,0.546 -18.631,-3.048 -14.986,-3.048 ; -22.225,9.271 -22.225,13.716 ; -22.225,13.716 -22.225,22.606 ; -22.225,22.606 -22.225,31.622 ; -22.225,31.622 -22.225,38.354 ; -22.225,38.354 -22.225,40.738 -21.053,41.91 -8.001,41.91 -5.08,44.831 -1.401,44.831 v1(0.651,46.884) 0.651,49.143 1.288,49.78 ; -16.286,-14.478 -12.116,-10.308 ; -14.986,-3.048 -12.094,-3.048 -9.808,-5.334 -9.808,-8 -12.116,-10.308
  Top Layer w5: 2.369,78.233 cw(c-0.371,-0.224) 45.772,-63.735
  Bottom Layer w0.3: v1(6.554,57.849) 6.554,57.587 7.026,57.114 FT1.20@7.026,53.917
  Bottom Layer w1: cap27.1@-44.958,7.622 -33.094,7.622 cap2.1@-28.651,12.065 ; cap11.1@34.671,-23.113 36.577,-23.113 ; 40.767,-18.184 40.671,-18.28 40.671,-19.019 36.577,-23.113 ; 49.276,-18.542 49.18,-18.638 49.18,-18.779 cap29.1@44.846,-23.113 ; cap35.1@55.169,-23.193 55.129,-23.153 53.139,-23.153 53.099,-23.113 cap36.1@49.784,-23.113 cap29.1@44.846,-23.113 ; 36.577,-23.113 cap19.1@39.709,-23.113 cap29.1@44.746,-23.113 cap29.1@44.846,-23.113
  Bottom Layer w2: 32.258,-18.542 32.258,-20.841 cap11.1@34.53,-23.113
  other v1: 29.337,40.64
+12: "shoot header1.3" cap13.1 cap15.1 cap34.1 cap37.1 cap39.1 cap51.1 cap54.1 cap66.1 cap73.1 cap74.1 LB.2 LED1.1 LF.2 P3.1 RB.2 RF.2 | length 578.3
  Top Layer w2: -77.836,5.059 -75.824,3.048 cap15.1@-69.348,3.048 ; -74.824,22.032 -72.248,19.456 LED1.1@-70.07,19.456 ; -73.854,25.092 -73.606,25.092 -70.358,21.844 -60.666,21.844 -58.82,19.998 -58.359,19.998 -58.109,19.748 P3.1@-58.109,19.287 ; -73.007,27.459 -72.247,26.699 -69.678,24.13 -54.497,24.13 -53.467,23.1 ; -66.383,-40.955 -64.412,-42.926 -58.763,-42.926 v1@-51.308,-35.471 ; v1(-50.038,21.717) -52.084,21.717 -53.467,23.1 ; cap51.1@-46.275,23.1 -53.467,23.1 ; -39.751,-66.43 cap37.1@-28.53,-55.208 ; -34.573,69.919 -34.573,59.392 cap66.1@-26.579,51.398 ; -3.252,-78.055 -3.048,-77.851 ; cap34.1@7.657,-56.479 10.287,-59.109 10.287,-63.247 ; v1(7.873,-60.833) 10.287,-63.247 ; 14.986,-48.133 7.752,-48.133 3.429,-52.456 3.429,-71.374 -3.048,-77.851 ; v1(15.907,-70.326) 8.382,-77.851 4.318,-77.851 ; -3.048,-77.851 4.318,-77.851 ; 4.318,-77.851 10.287,-71.882 10.287,-63.247
  Top Layer w3: -75.939,17.814 -74.953,16.829 -74.508,16.383 -62.357,16.383 -60.511,14.537 -58.359,14.537 P3.1@-58.109,14.287 ; -63.5,45.296 -63.5,36.449 -57.531,30.48 -44.183,30.48 LB.2@-43.004,31.658 ; -46.752,-62.436 -45.543,-61.228 -40.654,-61.228 -34.11,-54.684 RB.2@-34.11,-42.547 ; -23.375,74.415 -28.956,68.834 -28.956,60.071 -20.864,51.979 LF.2@-16.058,51.979 ; -4.608,-76.59 0.703,-71.28 0.703,-59.124 RF.2@-2.921,-55.499
  Top Layer w5: -23.375,74.415 ccw(c0,0) -34.573,69.919 ccw(c0,0) -63.5,45.296 ccw(c0,0) -73.007,27.459 ccw(c0,0) -73.854,25.092 ccw(c0,0) -74.824,22.032 ccw(c0,0) -75.939,17.814 ccw(c0,0) -76.485,15.297 ccw(c0,0) -77.836,5.059 ccw(c0,0) -66.383,-40.955 ccw(c0,0) -53.545,-56.718 ccw(c0,0) -46.752,-62.436 ccw(c0,0) -39.173,-67.45 ccw(c0.541,0.931) -15.065,-76.59 ccw(c0.541,0.931) -3.252,-78.055
  Bottom Layer w2: cap74.1@-29.478,50.876 -28.956,51.398 cap66.1@-26.579,51.398 ; v1(15.907,-70.326) 16.256,-69.977 cap13.1@16.256,-65.532
  other v1: -51.18,-35.678
A1IR: 5.27 "Socket IR1.6" | length 26.6
  Top Layer w1: 5.27@13.081,-4.699 13.27,-4.699 13.62,-4.349 13.855,-4.349 20.77,2.566 20.77,13.023 24.638,16.891
A2S2: 5.28 "MULTI LDR.14" | length 69.8
  Top Layer w1: 5.28@13.081,-2.159 5.28@13.113,-2.127 ; v1(16.086,-4.082) 16.16,-4.082 17.579,-2.662 18.393,-2.662 32.847,11.791 32.873,11.791 33.274,12.192 51.181,12.192 63.353,24.364 63.353,26.15 62.472,27.031 60.813,27.031 59.309,25.527
  Bottom Layer w1: 5.28@13.081,-2.159 14.952,-4.03 16.035,-4.03 v1(16.086,-4.082) ; 59.309,25.392 59.309,25.527
A3DB: 5.29 "Header distance back1.1" | length 28.1
  Bottom Layer w1: 5.29@13.081,0.381 13.215,0.247 14.104,0.247 18.393,-4.042 18.393,-9.503 22.352,-13.462 32.258,-13.462
A4DR: 5.30 "Header distance right1.1" | length 36.6
  Bottom Layer w1: 5.30@13.081,2.921 13.31,2.692 14.501,1.501 14.623,1.501 20.177,-4.053 20.177,-7.477 23.733,-11.033 39.227,-11.033 41.148,-12.954
A5SCK: 5.31 "Socket Pixy1.3" | length 25.9
  Bottom Layer w1: 5.31@13.081,5.461 21.868,-3.326 21.868,-6.739 24.908,-9.779 28.448,-9.779 29.984,-8.243
A6MISO: 5.32 "Socket Pixy1.1" | length 22.1
  Bottom Layer w1: 5.32@13.081,8.001 24.858,-3.776 24.858,-4.665 28.051,-7.858
A7MOSI: 5.33 "Socket Pixy1.4" | length 24.2
  Bottom Layer w1: 5.33@13.081,10.541 19.256,4.366 22.431,4.366 30.035,-3.238 30.035,-4.508 30.226,-4.699
A8PWM4: 5.5 LB.7 | length 38.5
  Bottom Layer w0.75: LB.7@-33.497,35.375 -33.386,35.375 -16.172,18.161 5.5@-2.159,18.161
A9TXFT232: FT1.5 RES9.1 | length 16.6
  Top Layer w0.4: RES9.1@2.54,39.446 2.54,43.175 3.557,44.192 3.557,47.371 4.572,48.386 9.388,48.386 v1(9.493,48.491)
  Bottom Layer w0.4: v1(9.493,48.491) 9.626,48.358 FT1.5@9.626,46.667
A10RXFT232: FT1.1 RES8.1 | length 21.7
  Top Layer w0.4: RES8.1@-0.127,39.446 -0.127,44.049 2.105,46.282 2.105,47.698 3.987,49.58 9.944,49.58 10.375,49.149 v1(11.811,49.149)
  Bottom Layer w0.4: v1(11.811,49.149) 11.976,48.984 11.976,48.091 12.213,47.855 FT1.1@12.213,47.467
A11TXBLUE: 5.8 Bluetooth1.2 | length 17.1
  Top Layer w1: Bluetooth1.2@-18.669,11.176 -2.983,11.176 -2.348,10.541 5.8@-2.159,10.541
  Bottom Layer w1: 5.8@-2.484,10.541 5.8@-2.159,10.541
A12RXBLUE: 5.9 Bluetooth1.3 | length 16.8
  Top Layer w1: Bluetooth1.3@-18.669,8.636 -2.983,8.636 -2.348,8.001 5.9@-2.159,8.001